# KiCad board SmartEnergyMag_System.kicad_pcb (continued)
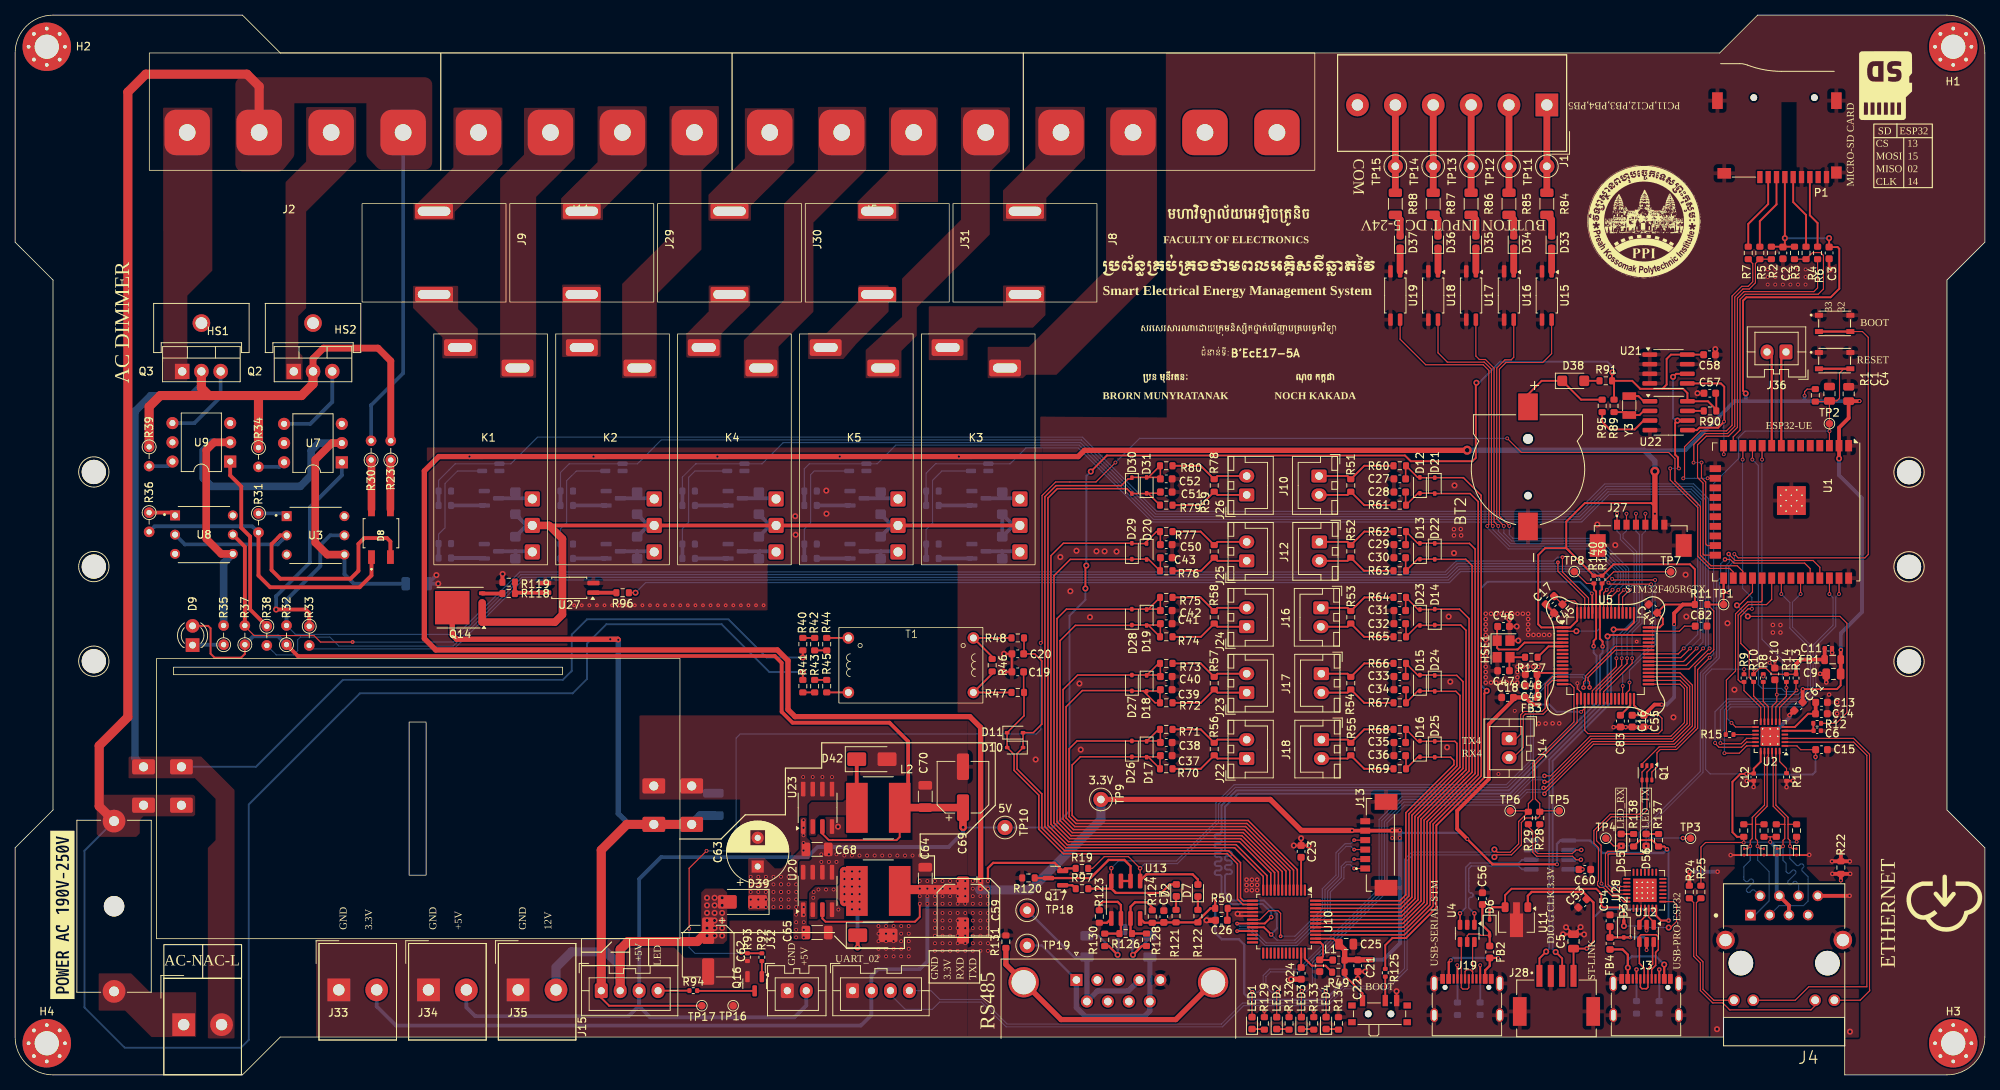
[diagram p0: board, top side]
## Routing (per net, layer and track width the routed paths; a pad name or vN(x,y) marks a point on that pad's centre or on a via; arc(x,y) is an arc through that point) (continued)
TXD_ESP: length 76.7
  Top w0.15: U1.35 238.21,67.06 237.32,67.95 227.03,67.95 v3(226.18,68.8) ; v3(220.14,31.28) 220.17,31.26 TP3.1 ; U28.25 211.02,24.38 210.27,25.13 210.27,29.09 210.37,29.19 214.94,29.19 215.28,29.52 v3(215.28,30.25)
  Bottom w0.15: v3(220.14,31.28) 215.67,31.28 215.28,30.9 v3(215.28,30.25) 215.28,32.43 222.8,39.94 222.8,52.92 224.94,55.07 224.94,65.01 225.83,65.91 225.83,67.31 226.27,67.75 226.27,68.71 v3(226.18,68.8)
UART4_RX: length 15.6
  Top w0.15: J14.2 197.74,41.91 199.07,43.24 199.07,47.41 199.32,47.66 201.69,47.66 202.31,48.29 202.31,51.49 202.93,52.11 U5.15
UART4_TX: length 13.8
  Top w0.15: J14.1 198.13,44.41 198.73,45 198.73,47.56 199.18,48.02 201.55,48.02 201.96,48.44 201.96,51.64 202.94,52.61 U5.14
USART2_RX: length 131.3
  Top w0.15: TP5.1 201.37,34.88 201.25,34.76 ; 195.29,28.78 195.57,29.06 197.5,29.06 198.81,30.38 198.81,33.33 199.42,33.94 201,33.94 201.25,34.17 201.25,34.76 ; U5.17 206.19,46.56 200.67,41.04 200.67,36.44 201.25,35.86 201.25,34.76
  Bottom w0.15: v1(195.26,28.78) 194.97,29.06 184.49,29.06 183.75,28.32 183.75,13.91 181.21,11.38 175.5,11.38 173.26,9.15 162.16,9.15 159.37,6.35 130.8,6.35 127.55,9.61 122.02,9.61 121.07,8.66 117.49,8.66 115.54,10.62 J20.3
USART2_TX: length 128.6
  Top w0.15: TP6.1 199.62,34.88 199.75,34.76 ; 199.75,34.76 199.75,34.76 198.46,33.48 198.46,30.52 197.36,29.41 195.62,29.41 v1(195.26,29.77) ; 199.75,34.76 199.75,35.83 200.32,36.41 200.32,41.19 205.76,46.63 205.76,51.14 205.29,51.61 U5.16
  Bottom w0.15: J20.4 120.89,11.12 122.05,9.96 127.69,9.96 130.94,6.7 159.23,6.7 162.01,9.5 173.12,9.5 175.35,11.72 181.06,11.72 183.39,14.06 183.39,28.47 184.36,29.42 194.91,29.42 v1(195.26,29.77)
USB_CONN_D+: length 7.3
  Top w0.15: U4.6 192.38,17.32 192.38,13.48 ; 192.38,13.48 J19.B6 ; 192.38,13.48 192.38,13.59 192.1,13.88 191.6,13.88 191.38,13.67 J19.A6
USB_CONN_D-: length 8.4
  Top w0.15: J19.A7 191.88,11.51 191.7,11.34 191.1,11.34 190.88,11.54 J19.B7 190.88,17.39 U4.4
USB_CONV_D+: length 17.1
  Top w0.2: U4.1 192.62,21.36 192.6,21.38
  Bottom w0.2: v3(192.62,21.34) 191.87,22.08 191.87,23.21 arc(191.94,23.38) 192.11,23.45 192.19,23.45 arc(192.36,23.52) 192.43,23.69 192.43,23.81 arc(192.36,23.98) 192.19,24.05 192.11,24.05 arc(191.94,24.12) 191.87,24.29 191.87,27.24 192.21,27.59 198.47,27.59 198.91,27.15 U6.1
USB_CONV_D-: length 17
  Top w0.2: 190.75,21.34 190.72,21.31 U4.3
  Bottom w0.2: v3(190.72,21.34) 191.47,22.09 191.47,27.41 192.05,27.98 198.47,27.98 198.9,28.42 U6.2
USB_ESP_D+: length 14.5
  Top w0.2: J3.A6 215.02,14.1 214.4,14.73 U12.4 214.4,18.29 214.62,18.51 216.64,18.51 216.89,18.25 216.89,16.53 216.55,16.19 216.55,14.47 216.02,13.95 J3.B6
USB_ESP_D-: length 8.5
  Top w0.2: J3.B7 214.52,11.6 214.75,11.38 215.35,11.38 215.52,11.56 J3.A7 215.52,14.01 216.14,14.63 216.14,17.4 U12.6
USB_ESPV_D+: length 2.5
  Top w0.2: U28.4 215.12,20.9 214.4,20.18 U12.3
USB_ESPV_D-: length 2.5
  Top w0.2: U28.5 215.62,20.85 216.29,20.18 U12.1
VCOM: length 124.6
  Top w0.5: K3.A3 K1.A3
  Top w1: Q14.3 Q14.1 71.25,59.81 72.25,60.81 72.25,70.81 70.47,72.58 K1.A3
  Bottom w0.5: 67.53,72.58 K1.A3 67.52,72.58 ; 67.53,72.58 D47.1 ; 67.52,72.58 D48.1 ; 115.72,72.58 K5.A3 115.72,72.58 ; 115.72,72.58 D54.1 ; 115.72,72.58 D53.1 ; 83.59,72.58 K2.A3 83.59,72.58 ; 83.59,72.58 D50.1 ; 83.59,72.58 D49.1 ; 99.65,72.58 K4.A3 99.65,72.58 ; 99.65,72.58 D52.1 ; 99.65,72.58 D51.1 ; 131.78,72.58 D45.1 D46.1 131.78,72.58 ; 131.78,72.58 K3.A3 131.78,72.58
VN: length 65
  Top w0.2: R48.2 133.17,55.67 133.12,55.62 134.58,55.62 135.52,54.68 135.52,46.34 134.39,45.21 D11.2 133.05,45.2 D10.1 132.25,42.45 132.25,40.39 135.52,37.12 135.52,32.61 138.53,29.6 160.18,29.6 161.75,28.03 161.75,23.39 162.13,23 U10.13
VP: length 58.5
  Top w0.2: 133.12,53.24 133.12,50.57 R47.2 133.17,47.44 D11.1 130.94,43.25 D10.2 131.86,42.33 131.86,40.22 135.12,36.95 135.12,32.45 138.37,29.2 160.01,29.2 161.35,27.87 161.35,23.22 162.07,22.5 U10.14
Net-(BOOT1A-B): length 3.2
  Top w0.25: BOOT1.2 R125.2
Net-(C47-Pad1): length 3.8
  Top w0.25: C47.1 197.24,55.09 HSE1.3 R127.2
Net-(D2-K): length 1.8
  Top w0.3: D2.1 153.24,23.54 R121.2
Net-(D6-A): length 9.8
  Top w0.15: 194.64,18.41 D6.2 193.46,18.43 193.29,18.6 191.89,18.6 191.67,18.38 U4.5
  Top w0.3: FB2.1 194.64,18.41 ; D6.2 194.62,18.84 193.68,19.78 C56.1
Net-(D7-K): length 1.8
  Top w0.3: R122.2 D7.1
Net-(D8-Pad+): length 39.4
  Top w0.5: R31.2 32.12,65.96 33.66,64.41 45.48,64.41 47.04,65.97 D8.+
  Bottom w0.5: R31.2 31.29,72.47 18.42,72.47 R36.2
Net-(D8-Pad-): length 44.4
  Top w0.5: U3.2 35,71.27 33.84,70.11 33.84,66.69 35,65.55 44.27,65.55 45.32,66.58 45.32,70.16 46.08,70.91 49.08,70.91 49.53,70.45 D8.-
  Bottom w0.5: U8.2 22.4,70.08 34.66,70.08 U3.2
Net-(D8-PadAC1): length 6.6
  Top w1: D8.AC1 47.04,81.18 R30.1
Net-(D8-PadAC2): length 6.6
  Top w1: R23.1 49.53,81.18 D8.AC2
Net-(D9-K): length 4.1
  Bottom w0.5: D9.1 23.47,56.83 R35.1
Net-(D32-A): length 8.8
  Top w0.3: C54.1 FB4.1 212.33,18.15 D32.2 213.19,18.16 v2(213.19,18.16) ; v2(215.35,16.5) U12.5
  Bottom w0.3: v2(215.35,16.5) 215.35,17.85 215.02,18.17 213.2,18.17 v2(213.19,18.16)
Net-(D33-A): length 3.1
  Top w0.9: D33.2 202.81,112.98 R84.2
Net-(D33-K): length 3.1
  Top w0.9: U15.1 D33.1
Net-(D34-A): length 3.1
  Top w0.9: D34.2 197.81,112.98 R85.2
Net-(D34-K): length 3.1
  Top w0.9: U16.1 D34.1
Net-(D35-A): length 3.1
  Top w0.9: D35.2 192.81,112.98 R86.2
Net-(D35-K): length 3.1
  Top w0.9: U17.1 D35.1
Net-(D36-A): length 3.1
  Top w0.9: R87.2 187.81,112.98 D36.2
Net-(D36-K): length 3.1
  Top w0.9: U18.1 D36.1
Net-(D37-A): length 3.1
  Top w0.9: R88.2 182.81,112.98 D37.2
Net-(D37-K): length 3.1
  Top w0.9: U19.1 D37.1
Net-(D38-A): length 2
  Top w0.25: R91.2 D38.2
Net-(D38-K): length 13.2
  Top w0.25: BT2.P 199.69,89.89 201.5,91.69 D38.1 206.7,89.2 R95.2
Net-(D40-K): length 20.9
  Top w0.5: v1(111.2,16.82) 111.22,16.85 D40.1
  Top w1.2: v2(109.47,22.88) v2(109.47,26.88) 111.11,25.23 111.11,24.29 ; v2(109.47,25.88) 109.47,23.22 109.59,23.09
  Bottom w0.5: v2(111.46,21.88) 111.2,21.6 v1(111.2,16.82)
  Bottom w1.2: v2(109.47,26.88) v2(109.47,22.88)
  vias: v2(105.41,24.15) v2(105.36,23.4) v2(106.03,24.48) v2(107.03,24.48) v2(108.03,24.48) v2(109.47,24.88) v2(109.47,23.88) v2(110.47,26.88) v2(110.47,25.88) v2(110.47,24.88) v2(110.47,23.88) v2(110.47,22.88) v2(110.47,21.88) v2(111.46,26.88) v2(111.46,25.88) v2(111.46,24.88) v2(111.46,23.88) v2(111.46,22.88)
Net-(D41-K-Pad1): length 7.2
  Top w0.3: R128.1 148.72,17.02 v1(147.56,15.85)
  Bottom w0.3: D41.1 147.46,15.95 v1(147.56,15.85) 149.78,18.08 F1.2
Net-(D41-K-Pad2): length 8.8
  Top w0.3: v1(145.52,15.85) 144.37,17.01 R130.1
  Bottom w0.3: D41.2 145.56,15.89 v1(145.52,15.85) 143.01,18.37 F3.2
Net-(D42-K): length 6.4
  Top w0.5: D42.1 111.09,35.3 111.11,35.28
Net-(D45-A): length 5.5
  Bottom w0.5: K3.A1 132.54,69.17 130.3,69.17 ; Q4.3 130.3,69.17 ; 130.3,69.17 D45.2
Net-(D46-A): length 4.5
  Bottom w0.5: Q5.3 132.54,76.17 K3.A2
Net-(D47-A): length 5.5
  Bottom w0.5: 66.05,69.17 68.18,69.17 K1.A1 ; 66.05,69.17 Q6.3 ; 66.05,69.17 66.04,69.16 D47.2
Net-(D48-A): length 4.5
  Bottom w0.5: K1.A2 68.18,76.17 Q7.3
Net-(D49-A): length 5.5
  Bottom w0.5: 82.05,69.17 84.27,69.17 K2.A1 ; 82.05,69.17 Q8.3 ; 82.05,69.17 82.1,69.12 D49.2
Net-(D50-A): length 4.5
  Bottom w0.5: K2.A2 84.27,76.17 Q9.3
Net-(D51-A): length 5.5
  Bottom w0.5: D51.2 98.17,69.04 98.3,69.17 ; Q10.3 98.3,69.17 ; 98.3,69.17 100.36,69.17 K4.A1
Net-(D52-A): length 4.5
  Bottom w0.5: K4.A2 100.36,76.17 Q11.3
Net-(D53-A): length 5.5
  Bottom w0.5: D53.2 114.23,69.11 114.3,69.17 ; Q12.3 114.3,69.17 ; 114.3,69.17 116.45,69.17 K5.A1
Net-(D54-A): length 4.5
  Bottom w0.5: Q13.3 116.45,76.17 K5.A2
Net-(D55-A): length 1.6
  Top w0.25: R138.2 213.64,31.82 D55.2
Net-(D56-A): length 1.6
  Top w0.25: D56.2 216.93,31.82 R137.2
Net-(FB2-Pad2): length 13.1
  Top w0.3: v2(189.49,15.13) 189.24,14.88 J19.A4 ; J19.A9 194.04,13.81 194.64,14.41 FB2.2 195.74,15.45 v2(195.75,15.44)
  Bottom w0.3: v2(189.49,15.13) 189.81,15.44 195.75,15.44 v2(195.75,15.44)
Net-(FB4-Pad2): length 14.2
  Top w0.3: FB4.2 212.18,16.57 212.88,15.88 v1(212.88,14.16) J3.A4 ; J3.A9 v1(217.68,14.57)
  Bottom w0.3: v1(217.68,14.57) 216.6,15.66 213.38,15.66 212.88,15.15 v1(212.88,14.16)
Net-(J3-CC1): length 5.4
  Top w0.25: v3(214.01,13.91) 214.01,12.69 J3.A5
  Bottom w0.25: 214,13.94 v3(214.01,13.91) R81.2
Net-(J3-CC2): length 5.4
  Top w0.25: J3.B5 217.02,13.85 217,13.88
  Bottom w0.25: 217.02,9.75 217.02,13.88 ; R82.2 217,9.75
  vias: v3(217.02,13.91)
Net-(J4-Pad9): length 17.3
  Top w0.15: R25.1 221.92,22.73 221.92,15.8 222.8,14.93 222.8,11.28 224.22,9.86 J4.9
Net-(J4-Pad11): length 30
  Top w0.15: R24.1 221.57,22.76 221.57,15.66 222.44,14.78 222.44,11.14 224.08,9.51 225.39,9.51 226.32,8.59 237.05,8.59 237.6,9.13 J4.11
Net-(J7-PAD): length 34.6
  Top w0.7: R131.1 130.77,14.59 J7.0 138.06,7.31 153.19,7.31 J7.0
Net-(J10-Pin_1): length 10.7
  Top w0.25: R60.1 178.08,80.47 R51.2 175.88,79.11 J10.1
Net-(J10-Pin_2): length 10.7
  Top w0.25: J10.2 175.88,76.61 R51.1 178.08,75.26 R61.1
Net-(J12-Pin_1): length 10.7
  Top w0.25: J12.1 175.88,70.41 R52.2 178.09,71.77 R62.1
Net-(J12-Pin_2): length 10.7
  Top w0.25: J12.2 175.88,67.91 R52.1 178.04,66.6 R63.1
Net-(J15-Pin_4): length 4.1
  Top w0.25: R94.1 84.87,11.12 J15.4
Net-(J16-Pin_1): length 10.5
  Top w0.25: R64.1 178.1,63.07 R53.2 175.88,61.7 J16.1
Net-(J16-Pin_2): length 10.5
  Top w0.25: R65.1 178.06,57.87 R53.1 175.88,59.2 J16.2
Net-(J17-Pin_1): length 10.4
  Top w0.25: J17.1 175.88,53 R54.2 178.09,54.36 R66.1
Net-(J17-Pin_2): length 10.4
  Top w0.25: R67.1 178.07,49.15 R54.1 175.88,50.5 J17.2
Net-(J18-Pin_1): length 10.4
  Top w0.25: R68.1 178.08,45.64 R55.2 175.88,44.29 J18.1
Net-(J18-Pin_2): length 10.4
  Top w0.25: J18.2 175.88,41.79 R55.1 178.08,40.44 R69.1
Net-(J19-CC1): length 6.6
  Top w0.25: v2(190.36,14.48) 190.38,14.46 J19.A5
  Bottom w0.25: 190.38,9.73 190.38,14.46 v2(190.36,14.48)
Net-(J19-CC2): length 6.6
  Top w0.25: J19.B5 193.38,14.47
  Bottom w0.25: 193.39,14.48 193.38,14.47 193.38,9.73
  vias: v2(193.38,14.48)
Net-(J22-Pin_1): length 10.7
  Top w0.25: J22.1 158.7,41.79 R56.2 156.5,40.44 R70.1
Net-(J22-Pin_2): length 10.7
  Top w0.25: J22.2 158.7,44.29 R56.1 156.5,45.64 R71.1
Net-(J23-Pin_1): length 10.7
  Top w0.25: J23.1 158.7,50.5 R57.2 156.51,49.15 R72.1
Net-(J23-Pin_2): length 10.7
  Top w0.25: R73.1 156.49,54.36 R57.1 158.7,53 J23.2
Net-(J24-Pin_1): length 10.7
  Top w0.25: R74.1 156.52,57.87 R58.2 158.7,59.2 J24.1
Net-(J24-Pin_2): length 10.7
  Top w0.25: R75.1 156.48,63.07 R58.1 158.7,61.7 J24.2
Net-(J25-Pin_1): length 10.7
  Top w0.25: R76.1 156.54,66.6 R59.2 158.7,67.91 J25.1
Net-(J25-Pin_2): length 10.7
  Top w0.25: R77.1 156.49,71.77 R59.1 158.7,70.41 J25.2
Net-(J26-Pin_1): length 10.7
  Top w0.25: J26.1 158.7,76.61 R78.2 156.5,75.26 R79.1
Net-(J26-Pin_2): length 10.7
  Top w0.25: J26.2 158.7,79.11 R78.1 156.5,80.47 R80.1
Net-(LED1-K): length 1.7
  Top w0.25: LED1.1 164.82,6.05 R129.2
Net-(LED2-K): length 1.7
  Top w0.25: LED2.1 168.08,6.05 R132.2
Net-(LED3-K): length 1.7
  Top w0.25: R133.2 171.34,6.05 LED3.1
Net-(LED4-K): length 1.7
  Top w0.25: LED4.1 174.6,6.05 R134.2
Net-(P1-CLK): length 9.9
  Top w0.25: R4.2 236.39,113.61 234.7,115.31 P1.5
Net-(P1-CMD): length 10.1
  Top w0.25: P1.3 232.5,114.99 230.3,112.78 R5.2
Net-(P1-DAT0): length 9.6
  Top w0.25: R6.2 237.92,112.53 236.9,113.56 236.9,118.61
Net-(P1-DAT3): length 10.3
  Top w0.25: R7.2 228.77,112.41 231.4,115.04 231.4,118.6
Net-(Q2-G): length 11.6
  Bottom w0.5: U7.4 38.97,86 41.86,88.9 Q2.3
Net-(Q3-G): length 11.2
  Bottom w0.5: Q3.3 27.12,89.56 23.66,86.1 U9.4
Net-(Q4-B): length 4.4
  Bottom w0.5: R98.2 Q4.1
Net-(Q5-B): length 4.4
  Bottom w0.5: R100.1 Q5.1
Net-(Q6-B): length 4.4
  Bottom w0.5: R102.2 61.93,68.28
Net-(Q7-B): length 4.4
  Bottom w0.5: R104.1 Q7.1
Net-(Q8-B): length 4.4
  Bottom w0.5: R106.2 Q8.1
Net-(Q9-B): length 4.4
  Bottom w0.5: R108.1 Q9.1
Net-(Q10-B): length 4.4
  Bottom w0.5: R110.2 Q10.1
Net-(Q11-B): length 4.4
  Bottom w0.5: R112.1 Q11.1
Net-(Q12-B): length 4.4
  Bottom w0.5: R114.2 Q12.1
Net-(Q13-B): length 4.4
  Bottom w0.5: R116.1 Q13.1
Net-(Q14-G): length 2.7
  Top w0.5: R118.2 61.69,63.58 Q14.4
Net-(Q16-B): length 2.1
  Top w0.25: Q16.1 R92.1
Net-(Q16-C): length 7.6
  Top w0.25: R94.2 90.05,11.1 Q16.3
Net-(Q17-B): length 1.9
  Top w0.3: R97.1 139.55,25.04 Q17.1
Net-(Q17-C): length 17.2
  Top w0.3: 145.96,25.61 U13.2 147.23,27.58 146.42,28.4 144.33,28.4 141.94,26 Q17.3 134.6,26 R120.1
Net-(R31-Pad1): length 4.4
  Top w0.5: 35.47,74.18 U3.1
  Bottom w0.5: R31.1 35.47,74.18 U3.1
Net-(R33-Pad1): length 29.4
  Top w0.5: v1(34.45,61.47) 38.36,61.47 38.82,61.01 R33.1
  Bottom w0.5: U7.1 43.12,79.21 38.91,74.99 38.91,67.7 34.45,63.24 v1(34.45,61.47)
Net-(R34-Pad2): length 3.6
  Bottom w0.5: R34.2 34.9,80.32 U7.6
Net-(R36-Pad1): length 3.6
  Top w0.5: U8.1 20.74,74.28 R36.1
Net-(R38-Pad1): length 23.8
  Top w0.5: R38.1 31.02,61.47 31.02,71.11 29.84,72.29 29.84,77.73 28.39,79.19 U9.1
Net-(R39-Pad2): length 3.3
  Bottom w0.5: U9.6 20.16,80.42 R39.2
Net-(R40-Pad2): length 1.6
  Top w0.25: R40.2 R42.1
Net-(R41-Pad2): length 1.6
  Top w0.25: R41.2 R43.1
Net-(R42-Pad2): length 1.6
  Top w0.25: R42.2 R44.1
Net-(R43-Pad2): length 1.6
  Top w0.25: R43.2 R45.1
Net-(R96-Pad2): length 3
  Top w0.5: U27.1 79.36,63.7 R96.2
Net-(R98-Pad1): length 16.3
  Bottom w0.15: R99.1 120.26,72.05 121.1,72.88 121.1,78.53 122.35,79.79 U33.4
  Bottom w0.5: R98.1 R99.1
Net-(R102-Pad1): length 15.8
  Bottom w0.15: R103.1 55.89,71.44 56.75,72.28 56.75,78.13 58.4,79.79 U29.4
  Bottom w0.5: R102.1 R103.1
Net-(R106-Pad1): length 16.2
  Bottom w0.15: R107.1 71.98,72.12 72.8,72.94 72.8,78.48 74.1,79.79 U30.4
  Bottom w0.5: R107.1 R106.1
Net-(R110-Pad1): length 16.5
  Bottom w0.15: R111.1 88.08,72.16 88.89,72.98 88.89,78.94 89.75,79.79 U31.4
  Bottom w0.5: R111.1 R110.1
Net-(R114-Pad1): length 16.7
  Bottom w0.15: U32.4 105.5,79.79 105,79.28 105,72.94 104.17,72.1 R115.1
  Bottom w0.5: R114.1 R115.1
Net-(R118-Pad1): length 5.5
  Top w0.5: R119.1 R118.1 66.09,63.7 U27.4
Net-(T1-AA): length 2.9
  Top w0.25: T1.1 109.98,57.72 R44.2
Net-(T1-AB): length 2.9
  Top w0.25: R45.2 109.98,50.52 T1.2
Net-(T1-SA): length 8.8
  Top w0.25: R46.1 128.96,55.24 T1.3 131.52,57.72
Net-(T1-SB): length 8.8
  Top w0.25: R46.2 128.96,53 T1.4 131.52,50.52
Net-(U1-IO17): length 36.1
  Top w0.15: U1.28 229.32,63.79 227.42,61.88 v1(227.27,62.03) ; v1(228.71,60.57) 240.88,60.57 241.8,59.66 241.8,47.86 240.38,46.44 R12.2
  Bottom w0.15: v1(228.71,60.57) 228.71,60.6 v1(227.27,62.03)
Net-(U2-RBIAS): length 3.3
  Top w0.15: R16.2 233.82,40.48 232.91,41.39 U2.24
Net-(U2-RXER/PHYAD0): length 5.5
  Top w0.15: R8.2 230.75,49.33 231.41,48.67 U2.10
Net-(U2-VDDCR): length 6.3
  Top w0.25: U2.6 234.92,45.96 236.67,47.71 C14.2
  Top w0.5: C14.2 237.67,47.73 C13.2
Net-(U2-~{RST}): length 2.9
  Top w0.15: R15.1 U2.15
Net-(U5-VCAP_1): length 2.7
  Top w0.25: U5.31 213.19,48.8 C83.1
Net-(U5-VCAP_2): length 6.4
  Top w0.15: C82.1 220.36,59.28 219.68,58.61 U5.47
Net-(U6-RXD): length 12.4
  Top w0.15: v3(206.68,28.42) 206.04,28.42 205.57,28.88 200.83,28.88 200.32,29.39 200.32,32.21 199.75,32.78 R29.2
  Bottom w0.15: U6.7 v3(206.68,28.42) 206.69,28.44
Net-(U6-TXD): length 11.8
  Top w0.15: R28.2 201.25,32.78 200.67,32.21 200.67,29.53 200.97,29.23 205.55,29.23 206.02,29.71 v3(206.72,29.71)
  Bottom w0.15: v3(206.72,29.71) 206.7,29.69 U6.6
Net-(U6-V3): length 2.3
  Top w0.15: C60.2 206.87,27.13 v3(206.89,27.16)
  Bottom w0.15: v3(206.89,27.16) 206.88,27.15 U6.8
Net-(U10-AVDD): length 5
  Top w0.25: U10.37 172.27,17.5 172.64,17.13 172.64,15.65 C21.2 172.22,15.17 L1.1
Net-(U10-SEL): length 5.1
  Top w0.25: U10.36 170.24,15.35 171.18,14.42 172.98,14.42 173.84,13.56
Net-(U13-A): length 9.7
  Top w0.3: R123.1 143.11,22.4 143.56,22.85 145.54,22.85 145.96,22.43 145.96,18.85 R126.2 R130.2
Net-(U13-B): length 9.3
  Top w0.3: R128.2 147.43,18.67 R126.1 147.23,18.85 U13.7 147.23,22.21 147.81,22.79 149.43,22.79 150.1,22.12 R124.2
Net-(U22-VBAT): length 8.5
  Top w0.25: U22.3 214.97,86.44 213.8,85.27 210.49,85.27 209.49,86.27 R95.1
Net-(U22-X1): length 3
  Top w0.25: Y3.2 214.28,89.67 214.96,88.98 U22.1
Net-(U22-X2): length 5.1
  Top w0.25: R89.2 212.68,87.55 Y3.1 214.42,87.17 214.96,87.72 U22.2

## Copper pours and planes (outline as drawn; the poured copper is in the pictures)
+3.3VA on Top, Bottom: 119.23,22.19 128.6,22.19 128.6,26.01 119.23,26.01
+3.3VA on Top, Bottom: 181.5,32.73 181.5,30.98 183.07,30.98 183.07,32.73
+12VA on Top, Bottom: 90.56,24.6 93.98,24.6 93.98,17.29 90.56,17.29
GND on Top, Bottom: 54.34,56.19 99.32,56.19 99.32,67.47 124.39,67.47 124.39,58.9 135.6,58.9 135.6,82.88 54.34,82.88
GND on Top, Bottom: 82.41,36.38 95.7,36.38 95.7,29.42 102.42,29.42 102.42,20.38 94.28,20.38 94.28,15.47 88.38,15.47 85.98,17.87 39.87,17.87 39.73,17.72 39.73,4.4 124.95,4.4 125.73,5.17 125.73,47.48 82.41,47.48
GND on Top, Bottom: 151.89,106.22 152,86.84 135.31,86.96 135.31,58.9 124.39,58.9 124.39,-0.62 265.42,-0.77 265.42,142.79 151.89,142.79
GND1 on Top, Bottom: 243.37,27.51 223.77,27.51 223.77,4.91 243.37,4.91
VSSA on Top, Bottom: 96.76,28.65 98.91,28.65 100.27,27.28 101.19,27.28 103.64,29.73 103.64,34 104.48,34 104.48,31.35 104.96,30.87 104.96,28.63 104.81,28.47 103.59,28.47 103.33,28.2 103.33,23.01 104.53,23.01 104.53,17.91 102.7,17.91 102.7,21.84 99.08,21.84 98.95,21.7 96.75,21.7
01 on Top, Bottom: 111.17,112.81 116.62,112.81 116.62,115.28 121.82,115.28 121.82,127.76 121.77,127.81 115.35,127.81 115.35,119.51 111.17,115.33
02 on Top, Bottom: 91.52,112.83 97.12,112.83 97.12,114.83 102.3,119.98 102.84,120.53 102.84,127.71 96.32,127.71 96.32,121.08 91.52,116.28
03 on Top, Bottom: 72.07,112.91 77.59,112.91 77.59,114.33 83.37,120.11 83.37,127.96 76.87,127.96 76.87,120.58 72.07,115.78
04 on Top, Bottom: 58.02,112.91 58.02,114.01 64.32,120.31 64.32,127.78 57.84,127.78 57.84,119.88 53.12,115.16 52.59,115.16 52.59,112.91
05 on Top, Bottom: 130.39,112.81 130.42,112.78 136.12,112.78 136.12,115.86 141.22,121.11 141.22,127.88 134.67,127.88 134.67,121.11 130.39,116.84
AC-L on Top, Bottom: 23.9,5 23.9,10.91 17.8,10.91 15.3,13.41 11.07,13.41 11.03,13.38 11.03,8.48 14.51,8.48 18,5
AC-L_DM on Top, Bottom: 29.07,131.79 55.06,131.79 55.06,119.58 48.03,119.58 46.37,121.35 46.37,128.35 36.86,128.35 36.86,121.38 35.2,119.34 29.07,119.34
AC-L_DM on Top, Bottom: 23.77,34.38 23.55,34.16 16.94,34.16 16.45,33.67 16.45,31.91 16,31.44 11.11,31.44 10.77,31.78 10.77,36.66 11.12,37 23.52,37 23.77,36.77
AC-N on Top, Bottom: 28.95,4.81 28.95,37.64 24.55,42.05 15.11,42.05 14.97,41.91 14.97,39.19 23.66,39.19 23.7,39.22 26.45,36.45 26.45,31 25.44,29.98 25.44,4.81
Load on Top, Bottom: 35.7,91.8 35.7,117.94 38.41,120.64 38.41,127.75 38.52,127.85 45.02,127.85 45.02,120.64 38.41,114.03 38.41,101.28 37.37,100.23 37.37,95.55 37.94,94.98 37.94,91.8
Load2 on Top, Bottom: 19.52,127.77 26.02,127.77 26.02,106.25 22.73,102.95 22.73,91.73 19.56,91.73
OUT_01 on Top, Bottom: 112.27,92.03 116.99,92.03 116.99,95.64 119.02,97.66 119.02,101.38 128.64,111.01 128.64,119.28 131.32,121.96 131.32,127.81 124.85,127.81 124.85,112.96 117.07,105.19 117.07,100.12 112.27,95.76
OUT_02 on Top, Bottom: 96.2,92.03 100.8,92.03 100.77,96.21 105.37,100.81 105.37,112.61 112.35,119.58 112.35,127.88 105.97,127.88 105.97,119.56 101.5,115.08 101.5,102.36 96.2,97.06
OUT_03 on Top, Bottom: 80.12,92.03 84.7,92.03 84.7,103.13 90.59,109.03 90.59,119.44 92.89,121.73 92.89,127.98 86.37,127.98 86.37,110.73 80.12,104.48
OUT_04 on Top, Bottom: 64.02,92.08 68.77,92.08 68.77,115.98 73.87,121.08 73.87,127.76 67.2,127.76 67.17,127.73 67.17,121.56 64.02,118.41
OUT_05 on Top, Bottom: 128.37,92.03 133.02,92.03 133.47,92.48 137.44,92.48 150.72,105.76 150.72,127.81 144,127.81 144,106.36 133.83,96.19 128.37,96.19
Net-(D40-K) on Top, Bottom: 104.8,24.03 105.64,24.87 108.53,24.87 109.16,25.5 109.16,27.26 109.72,27.26 109.72,22.48 109.31,22.48 108.48,23.32 106.2,23.32 105.92,23.04 105.92,20.59 104.8,20.59
Net-(D42-K) on Top: 104.77,31.61 104.77,35.69 105.14,36.06 109.3,36.06 109.52,36.28 109.52,38.44 109.72,38.44 109.72,34.28 106.14,34.28 105.7,33.83 105.7,31.61
Net-(J8-Pin_2) on Top, Bottom: 120.6,94.41 125.72,94.41 125.72,97.36 127.07,98.71 134.35,98.71 136,100.36 136,104.28 130.39,104.28 130.39,101.53 120.6,101.53
Net-(J9-Pin_2) on Top, Bottom: 56.39,94.66 61.05,94.66 61.07,94.69 61.07,98.56 58.47,101.16 58.47,104.23 52.52,104.23 52.52,101.31 56.39,97.44
Net-(J29-Pin_2) on Top, Bottom: 72.2,94.83 77.3,94.86 77.3,104.41 72.2,104.41
Net-(J30-Pin_2) on Top, Bottom: 88.59,94.76 93.22,94.76 93.22,97.81 93.17,97.86 95.84,100.53 95.89,100.53 97.02,101.66 97.02,104.28 91.55,104.28 91.55,100.86 88.59,97.88
Net-(J31-Pin_2) on Top, Bottom: 104.67,94.56 109.32,94.56 111,96.53 115.3,100.83 115.3,104.31 111.3,104.31 111.3,102.19 107.14,98.03 104.67,98.03

## Text on the board
F.Silkscreen: 5V | 3.3V | BOOT | TX4 / RX4 | STM32F405R6TX | ESP32-UE | RESET | CS       13 / MOSI  15 / MISO  02 / CLK    14 | SD   ESP32 | GND / 3.3V | GND / +5V | GND / 12V | USB-SERIAL-STM | DIO G CLK 3.3V | ST-LINK | LED_RX | LED_TX | USB-PRO-ESP32 | 33 / 32 | MICRO-SD CARD | PC11,PC12,PB3,PB4,PB5 | UART_02 | +5V | LED | GND / 3.3V / RXD / TXD | COM | BUTTON INPUT DC 5-24V | AC-N | AC-L | AC DIMMER | RS485 | ETHERNET
